# KiCad board FreeDSP_INTEGRA_QUAD_BASIC.kicad_pcb (continued)
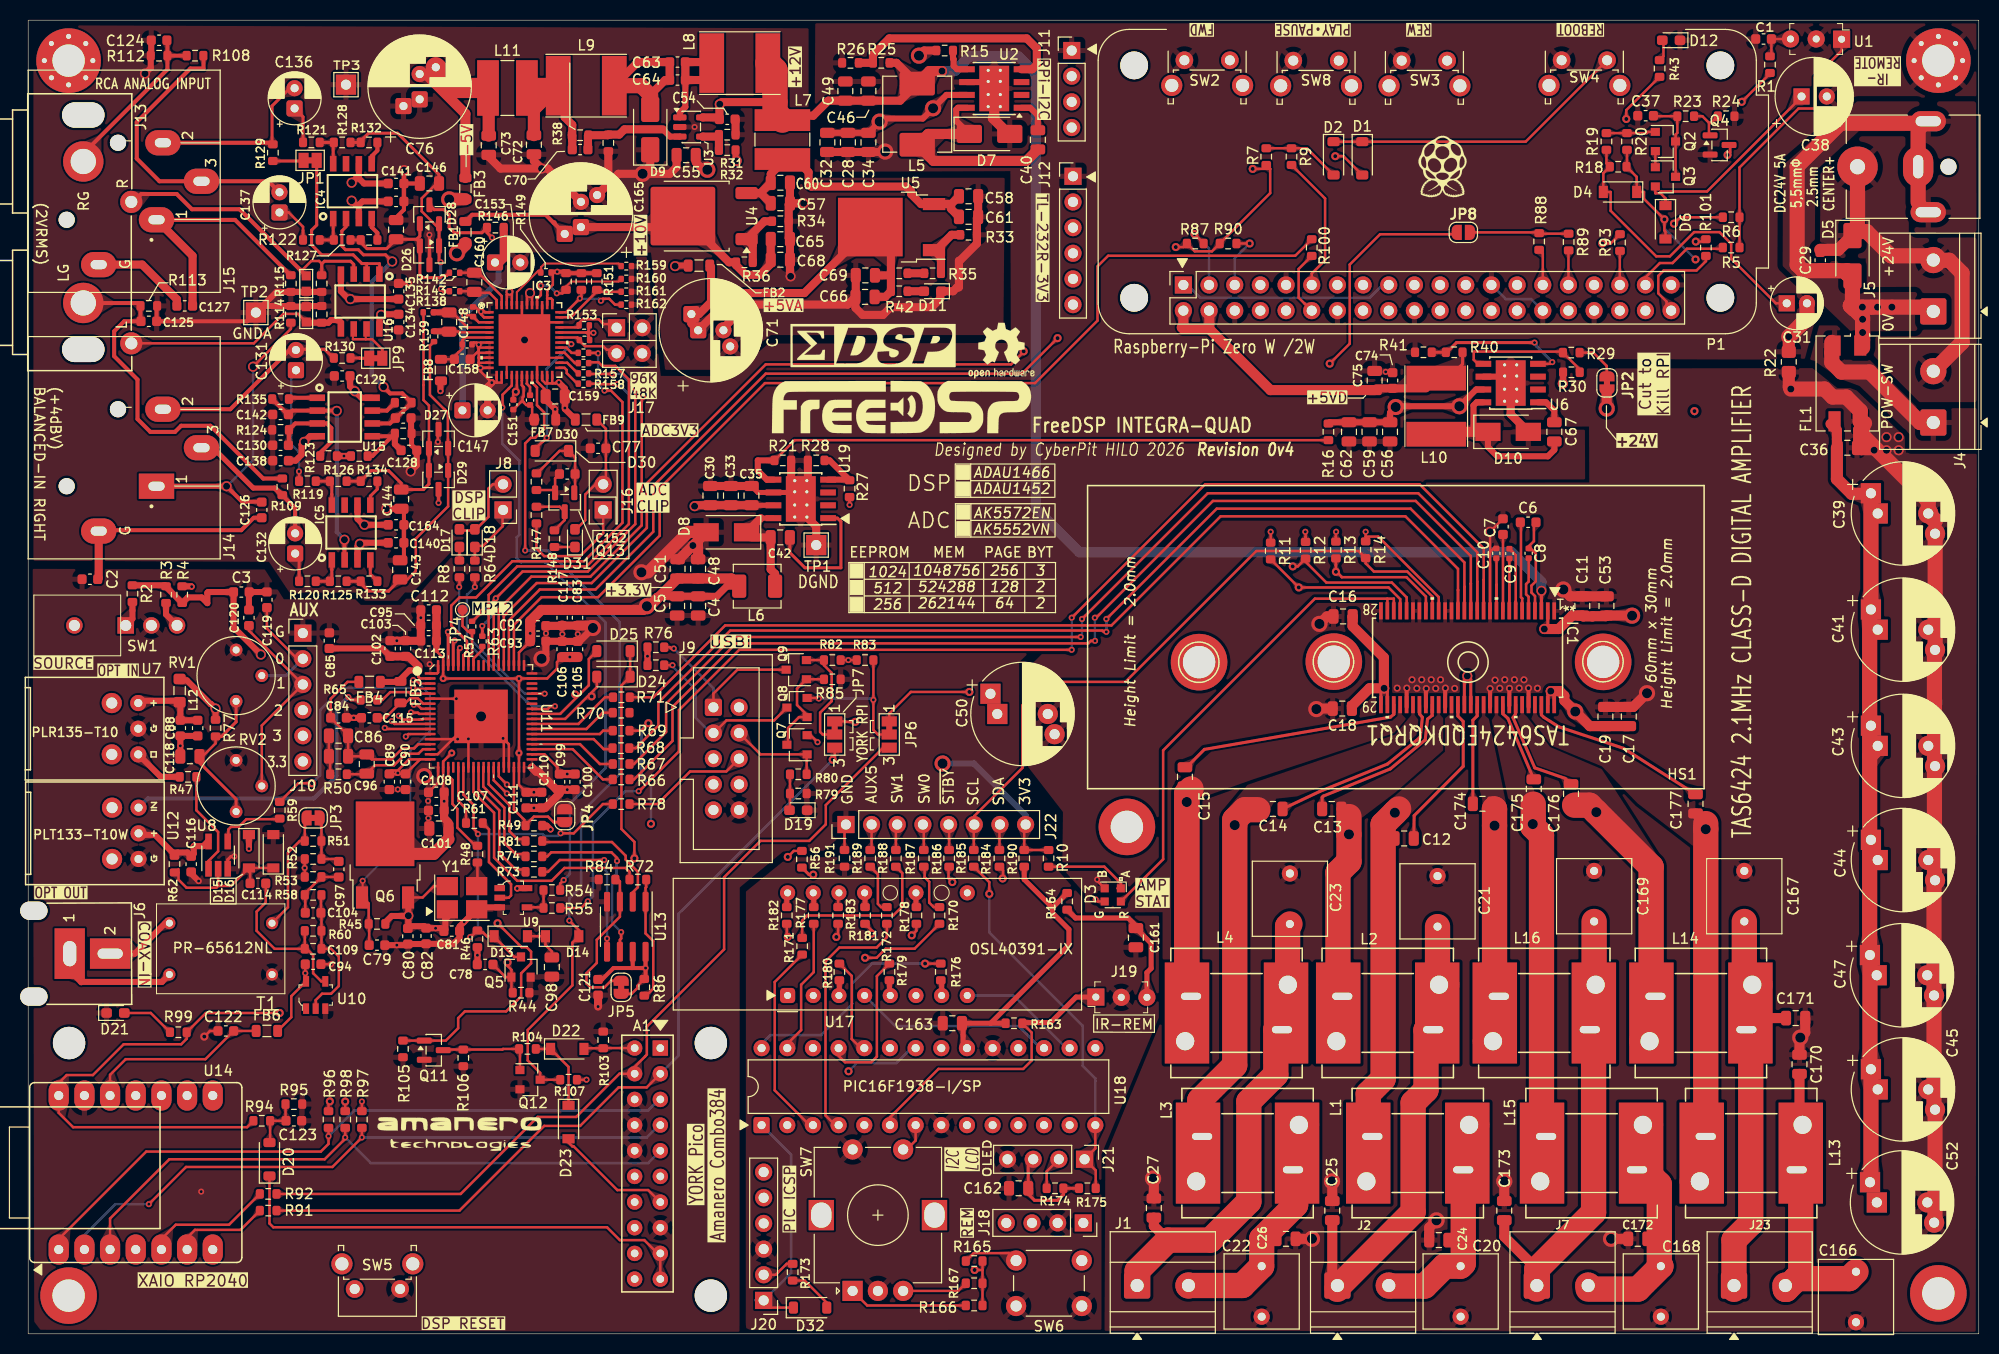
[diagram p0: board, top side]
## Copper pours and planes (outline as drawn; the poured copper is in the pictures) (continued)
+24V on In2.Cu: 184.66,10.11 185.17,11.56 184.91,83 182.3,85.1 181.1,85.98 153.82,74.83 153.77,72.59 142.8,70.71 132.89,65.07 132.89,62.99 135,62.99 135,64.4 136.25,65.53 140.77,65.53 141.86,64.26 143,64.26 143.89,65.41 148.82,65.41 150.01,64.41 150.01,63.32 152.65,60.91 168.81,55.07 178.47,42.62 178.56,10.1
-5VA on In2.Cu: 46.63,129.46 46.61,114.26 38.66,98.81 38.66,96.98 38.68,87.97 29.59,87.88 29.59,85.94 39.27,85.95 39.27,80.31 38.1,73.41 25.81,73.36 22.12,78.95 22.5,87.98 22.2,129.44
GND on Top: 0.45,75.7 23.42,75.64 25.3,72.69 32.36,72.69 32.92,72.14 36.88,72.14 37.39,72.75 38.25,72.75 45.82,81.38 45.8,85.4 49.4,85.4 49.42,87.97 51.4,88.8 51.4,91 50.6,91.8 50.6,92.8 50,93.4 50,96 46.8,96 46.8,100.6 48.6,100.6 48.6,103.4 50.29,106.6 61.2,106.6 62.6,94.8 69.55,94.77 73.23,97.99 97.23,98.06 97.18,115.06 77.8,115 77.88,129.7 192.76,129.68 192.76,122.38 180.82,122.28 173.44,115.88 173.39,105.48 176.8,102.2 176.8,100.2 175.8,96.5 171.06,96.42 154,96.47 154.05,84.25 147.19,84.15 137.67,84.2 116.54,84.18 98.04,66.47 98.02,49.1 80.09,49 78.71,47.8 74.7,47.73 70.41,44.17 70.38,0.17 1.2,0.4 0.6,1.2
GND on Bottom: 70.46,0.51 70.46,44.15 74.68,47.7 101.65,47.68 101.65,51.33 97.94,55.98 91.47,55.98 91.44,59.69 89.66,64.01 78.36,73.41 61.47,73.41 61.34,83.95 66.93,89.41 89.66,89.41 89.66,115.82 77.47,115.82 77.47,121.16 87.45,121.13 89.71,123.9 89.66,125.6 86.36,125.6 86.36,129.03 47.24,129.03 47.24,110.24 48.77,107.82 48.77,90.55 45.59,86.23 45.59,80.64 44.4,80.62 38.56,72.75 25.3,72.75 23.44,75.44 0.51,75.56 0.51,0.63 69.9,0.51
GND on Bottom: 192.61,129.65 192.63,122.33 180.14,122.28 178.21,121.51 175.82,121.51 170.94,117.35 170.94,107.82 179.2,99.69 179.37,93.5 133.58,93.62 133.43,88.21 171.2,88.27 171.2,75.03 151.38,75.03 147.19,78.74 105.41,78.74 100.76,82.32 100.69,124.51 98.6,127.46 86.31,127.46 86.36,129.03
GND on In1.Cu: 180.59,129.16 77.98,129.16 77.98,114.81 97.16,114.94 97.26,98.04 73.46,97.99 68.94,94.08 62.74,94.11 61.24,106.6 50.29,106.58 48.51,103.25 48.51,101.18 48,100.71 46.86,100.71 46.86,96.01 50.16,96.01 50.16,93.34 50.93,92.58 50.93,91.69 51.56,90.93 51.56,88.52 49.28,87.88 49.28,85.34 45.72,85.34 45.72,82.3 38.28,72.75 25.3,72.75 23.37,75.69 0.44,75.69 0.44,0.63 70.23,0.25 70.41,44.15 73.66,46.74 74.7,47.73 101.7,47.75 101.73,51.69 98.35,56.31 98.35,63.86 108.46,63.88 109.68,64.69 121.21,64.67 121.26,84.53 171.04,84.53 171.07,118.24 174.75,122.35 180.59,122.43
GNDA on Top: 0.52,129.5 77.22,129.2 77.22,114.4 96.62,114.4 96.49,98.84 73.49,98.84 68.99,95.4 63.02,95.4 61.62,107 49.68,107.02 48.08,103.42 48.08,101.2 46.52,101.22 46.52,95.6 49.62,95.6 49.62,93.2 50.26,92.6 50.28,91.62 50.82,91 50.82,89.2 48.82,88.4 48.82,86 45.22,86 45.26,81.03 38.05,73.36 37.29,73.36 36.58,72.54 33.32,72.54 32.61,73.36 25.86,73.36 23.82,76.4 0.52,76.5
GNDA on Bottom: 48.41,107.54 46.89,109.88 46.94,120.45 37.54,120.45 37.54,117.7 43.79,112.58 43.79,106.22 34.49,95.3 34.59,73.41 38.1,73.36 44.2,81.03 45.26,81.03 45.21,86.23 48.26,90.58
GNDA on Bottom: 21.39,129.44 21.46,76.58 9.91,76.71 9.91,94.61 2.79,100.58 3.05,103.63 9.4,103.63 9.4,109.47 3.56,114.3 3.3,117.73 10.16,121.79 10.16,125.22 11.43,125.22 11.43,129.44
GNDA on In1.Cu: 0.44,129.48 77.14,129.18 77.14,114.38 96.54,114.38 96.59,98.77 73.2,98.78 68.99,95.38 62.94,95.38 61.54,106.98 49.6,107 48,103.4 48,101.18 46.44,101.2 46.44,95.58 49.54,95.58 49.54,93.18 50.18,92.58 50.2,91.6 50.74,90.98 50.74,89.18 48.74,88.38 48.74,85.98 45.14,85.98 45.21,82.85 38.05,73.36 25.81,73.36 23.67,76.45 0.44,76.43
GNDD on Top: 71.04,0.56 71,1 71.02,43.76 75.18,47.14 100.58,47.32 104.17,43.31 104.17,41.4 111.89,41.38 111.87,31.3 106.2,17.75 106.2,0.4 71.45,0.38
GNDD on Bottom: 71,0.38 71,0.98 71.07,43.74 75.13,47.14 100.69,47.24 104.14,43.23 104.21,41.38 111.9,41.38 111.9,31.38 106.2,17.78 106.2,0.38
GNDD on In1.Cu: 71,0.38 71,0.98 71.02,43.78 75.34,47.22 100.58,47.32 104.17,43.31 104.16,41.41 111.9,41.38 111.9,31.38 106.2,17.81 106.2,0.38
GNDS on Top: 106.5,0.3 106.58,17.6 112.24,31.32 112.24,41.72 104.57,41.71 104.57,43.54 102.31,46.08 102.39,51.64 98.93,56.11 98.88,64.47 98.91,65.89 117.27,84.23 154.46,84.25 154.43,89.79 132.21,89.64 132.23,95.5 176.55,95.57 179,93.6 181,93.6 185.8,89 185.8,87.2 192.8,87.2 192.7,0.2
GNDS on Bottom: 192.66,87.76 186.69,87.76 185.42,89.06 183.64,89.15 182.12,88.01 182.12,86.87 184.02,86.87 186.06,84.2 185.93,11.43 185.17,9.4 177.93,9.53 177.83,42.27 168.35,54.51 153.97,59.31 149.76,63.2 149.74,64.15 148.64,65.13 144.22,65.13 143.33,64.24 141.63,64.24 140.67,65.18 136.04,65.18 134.98,64.39 135,62.99 132.82,62.99 132.44,64.26 109.98,64.26 108.89,63.86 98.93,63.86 98.86,56.29 102.31,51.74 102.34,46.1 104.8,43.31 104.57,43.51 104.57,41.71 112.24,41.71 112.29,31.37 106.58,17.63 106.55,0.2 192.68,0.36
GNDS on In1.Cu: 192.66,88.14 186.64,88.14 185.72,89.53 185,89.5 176.5,95.5 171.8,95.5 171.8,83.54 122.22,83.52 122.15,63.98 110.11,63.96 109.09,63.17 99.09,63.22 99.09,56.46 102.49,52.5 102.49,46.48 104.9,43.94 104.9,41.99 112.52,42.01 112.52,30.68 106.86,17.58 106.83,0.33 192.48,0.33 192.66,88.11
GNDS on In2.Cu: 106.83,0.33 106.86,17.58 112.29,31.37 112.24,41.72 106.63,41.72 106.63,43.54 102.16,47.75 102.31,51.74 110.49,60.55 110.49,65.23 117.81,72.64 134.57,72.64 144.78,82.85 153.52,82.85 153.47,72.9 142.8,71.12 132.74,65.23 132.74,62.84 135.13,62.84 135.13,64.31 136.25,65.38 140.72,65.38 141.88,63.86 143.56,63.86 144.12,65.18 148.54,65.18 149.81,64.01 149.81,62.99 152.76,60.35 168.35,54.51 178,42.42 177.93,9.53 184.86,9.53 185.93,11.43 186.06,83.62 186.2,87.6 192.8,87.6 192.68,0.36
VDD on In2.Cu: 70.97,0.38 70.97,0.98 71.02,43.74 75.08,47.17 100.61,47.29 104.19,43.26 104.17,41.36 111.91,41.41 111.91,31.41 106.17,17.73 106.17,0.38
/Audio_ADC/ADC_3V3 on In2.Cu: 54.86,92.08 57.78,92.08 62.61,94.87 61.21,106.6 50.29,106.6 46.48,103 46.48,91.57 48.01,89.03 54.86,89.03
/YAM_PSU_IO/PSU+ on Top: 192.8,92.2 187,92.2 182.6,96.8 182.63,99.11 187.1,99.21 187.3,103.02 181.86,103.02 181.81,106.43 176.83,106.45 176.89,115.01 181.2,118.82 186.03,118.82 186.08,108.71 192.79,108.86
/YAM_PSU_IO/PSU- on Top: 192.77,109.02 192.74,121.97 180.95,121.97 173.63,115.67 173.59,105.66 180.75,98.81 180.71,97 182.19,97.11 182.16,99.21 189.98,99.26 189.98,103.13 181.8,103.07 181.75,106.02 181.75,106.48 176.77,106.5 176.82,115.06 181.14,119.03 186.53,119.03 186.63,108.97
/YAM_PSU_IO/PSU- on Bottom: 192.8,88.45 190.6,88.45 182.8,96.45 180.2,96.45 180,100.06 171.6,108.25 171.6,117.25 176,121 192.8,121
/YAM_PSU_IO/SWITCHED+ on Top: 192.8,87.6 186.2,87.6 186.2,89 181.2,93.8 179.3,94.5 176.7,96.3 176.3,96.4 177.2,99.8 179.37,99.79 179.4,97 179.8,96.4 182.2,96.4 187,91.6 192.8,91.6
Earth on Bottom: 9.14,129.54 0.38,129.54 0.64,76.71 9.02,76.71 9.02,93.6 2.29,99.06 2.29,104.14 8.76,104.52 8.76,108.71 2.03,114.55 2.16,118.24 9.4,122.56 9.4,129.29
Net-(IC1-OUT_1M) on Top: 135.59,63.09 135.48,61.14 134.98,60.68 117.04,57.61 115.54,56.26 115.37,55.37 114.71,55.12 115.87,52.98 121.18,54.86 135.13,59.44 136.35,60.86 135.92,61.29 135.92,63.09
Net-(IC1-OUT_1P) on Top: 136.83,63.09 136.86,61.24 136.6,60.93 135.28,59.31 120.65,54.33 118.24,51.41 122.86,51.94 123.49,52.96 125.55,53.19 134.24,56.74 137.36,59.26 137.54,60.78 137.19,61.24 137.19,63.07 136.86,63.09
Net-(IC1-OUT_2M) on Top: 139.4,63.09 139.42,61.24 138.76,60.6 138.48,58.57 135,55.65 129.01,52.78 131.88,51 135.33,53.62 140,57.73 140,60.93 139.7,61.26 139.7,63.09
Net-(IC1-OUT_2P) on Top: 140.67,63.09 140.67,61.32 140.18,60.91 140.18,57.61 134.87,52.93 136.58,51.23 141.66,56.29 141.66,60.38 141.15,60.91 141,61.42 141,63.09
Net-(IC1-OUT_3M) on Top: 143.84,63.09 143.84,61.11 143.48,60.66 143.48,54.28 143.89,52.78 143.89,52.2 146.33,51.99 144.53,60.86 144.17,61.16 144.17,63.09
Net-(IC1-OUT_3P) on Top: 145.11,61.19 144.81,60.71 146.43,52.98 147.8,51.89 149.05,53.64 148.21,55.68 146.15,60.63 145.44,61.21 145.44,63.09 145.11,63.09
Net-(IC1-OUT_4M) on Top: 147.65,63.07 147.68,61.34 147.29,60.88 149.3,56.24 152.48,55.07 153.54,55.07 153.54,53.57 152.68,53.54 153.97,51.08 161.62,46.66 155.7,55.88 150.6,58.06 148.31,61.06 147.98,61.37 147.98,63.07
Net-(IC1-OUT_4P) on Top: 148.92,63.09 148.92,61.34 148.72,60.86 150.7,58.22 155.7,56.16 159.26,52.48 164.85,48.18 164.97,52.81 164.01,52.45 163.78,52.88 163.78,53.77 157.71,57.53 151.31,59.66 149.43,61.06 149.25,61.37 149.25,63.09

Small or netless copper shapes (teardrops, artwork), in the pictures only: 1240 on Top, 98 on Bottom, 13 on In1.Cu, 109 on In2.Cu

## Text on the board
B.Silkscreen: DSP RESET | DEC- | Rasp-pi / REBOOT | PLAY/PAUSE | IR-REMOTE / SENSOR | RPi-SDA / RPi-SCL / +3.3V / GND | ANALOG / INPUT | 96k | 48k | SW | OPEN=4CH Mode / SHORT=PBTL MODE | B | G | A | (CAUTION) | + | +24V | 0V | DATA | VBUS | GND | BCLK | LRCK | CONTROLLER AREA | AUX5 | SW1 | SW0 | ~{STBY} | SCL | SDA | 3V3 | SENS | PWR-SW | XAIO RP2040 | COAX | BALANCED / RIGHT | OPTICAL / OUTPUT | OPTICAL / INPUT | YORK Pico | AMANERO COMBO384 | GND / 3V3 / SDA / SCL | USBi | +(1)- | +(PBTL)- | +(2)- | +(3)- | +(4)-
User.Drawings: SOURCE / SELECT | ANALOG / INPUT | BALANCED / LEFT | COAX / INPUT | BALANCED / RIGHT | RIGHT | LEFT | USB / AUDIO | OPTICAL / INPUT | OPTICAL / OUTPUT | DSP RESET | LEFT SP | micro-HDMI | RIGHT SP | Raspberry-pi ZERO 2W | USB-C | DC24V IN | EXT PSU | POWER SW
F.Silkscreen: G | B | R | A | 29 | 28 | OPT OUT | OPT IN | RCA ANALOG INPUT | 3.3 | YORK RPI | DC24V 5A / 5,5mmΦ / 2.5mm / CENTER+ | FWD | PLAY・PAUSE | REW | REBOOT | IR- / REMOTE | I2C / LCD | PLR135-T10 | 96K / 48K | PLT133-T10W | OLED | 1 | PR-65612NL | GNDA | MP12 | +3.3V | ADC3V3 | +5VA | OSL40391-IX | +5VD | SOURCE | 3 | 2 | 0 | DSP RESET | DSP / CLIP | ADC / CLIP | EEPROM | PIC16F1938-I/SP | MEM | PAGE | BYT | IR-REM | 1024 / 512 / 256 | 1048756 / 524288 / 262144 | 256 / 128 / 64 | AK5552VN | ADAU1466 / ADAU1452 | AK5572EN | 3 / 2 / 2 | AMP / STAT | -5V | +10V | +12V | GND | AUX5 | SW1 | SW0 | ~{STBY} | REM | SCL | SDA | 3V3 | PIC ICSP | POW-SW | +24V | 0V | Height Limit = 2.0mm | 60mm x 30mm | (+4dBV) / BALANCED-IN RIGHT | (2VRMS) | COAX-IN | TL-232R-3V3 | RPi-I2C | Designed by CyberPit HILO 2026 | DGND | AUX | Revision 0v4 | Raspberry-Pi Zero W /2W | YORK Pico | Amanero Combo384 | XAIO RP2040 | Cut to / Kill RPI | USBi | FreeDSP INTEGRA-QUAD | TAS6424 2.1MHz CLASS-D DIGITAL AMPLIFIER | TAS6424EQDKQRQ1 | DSP | ADC
